# Allegro board SDHCalFEB20180110.brd (continued)
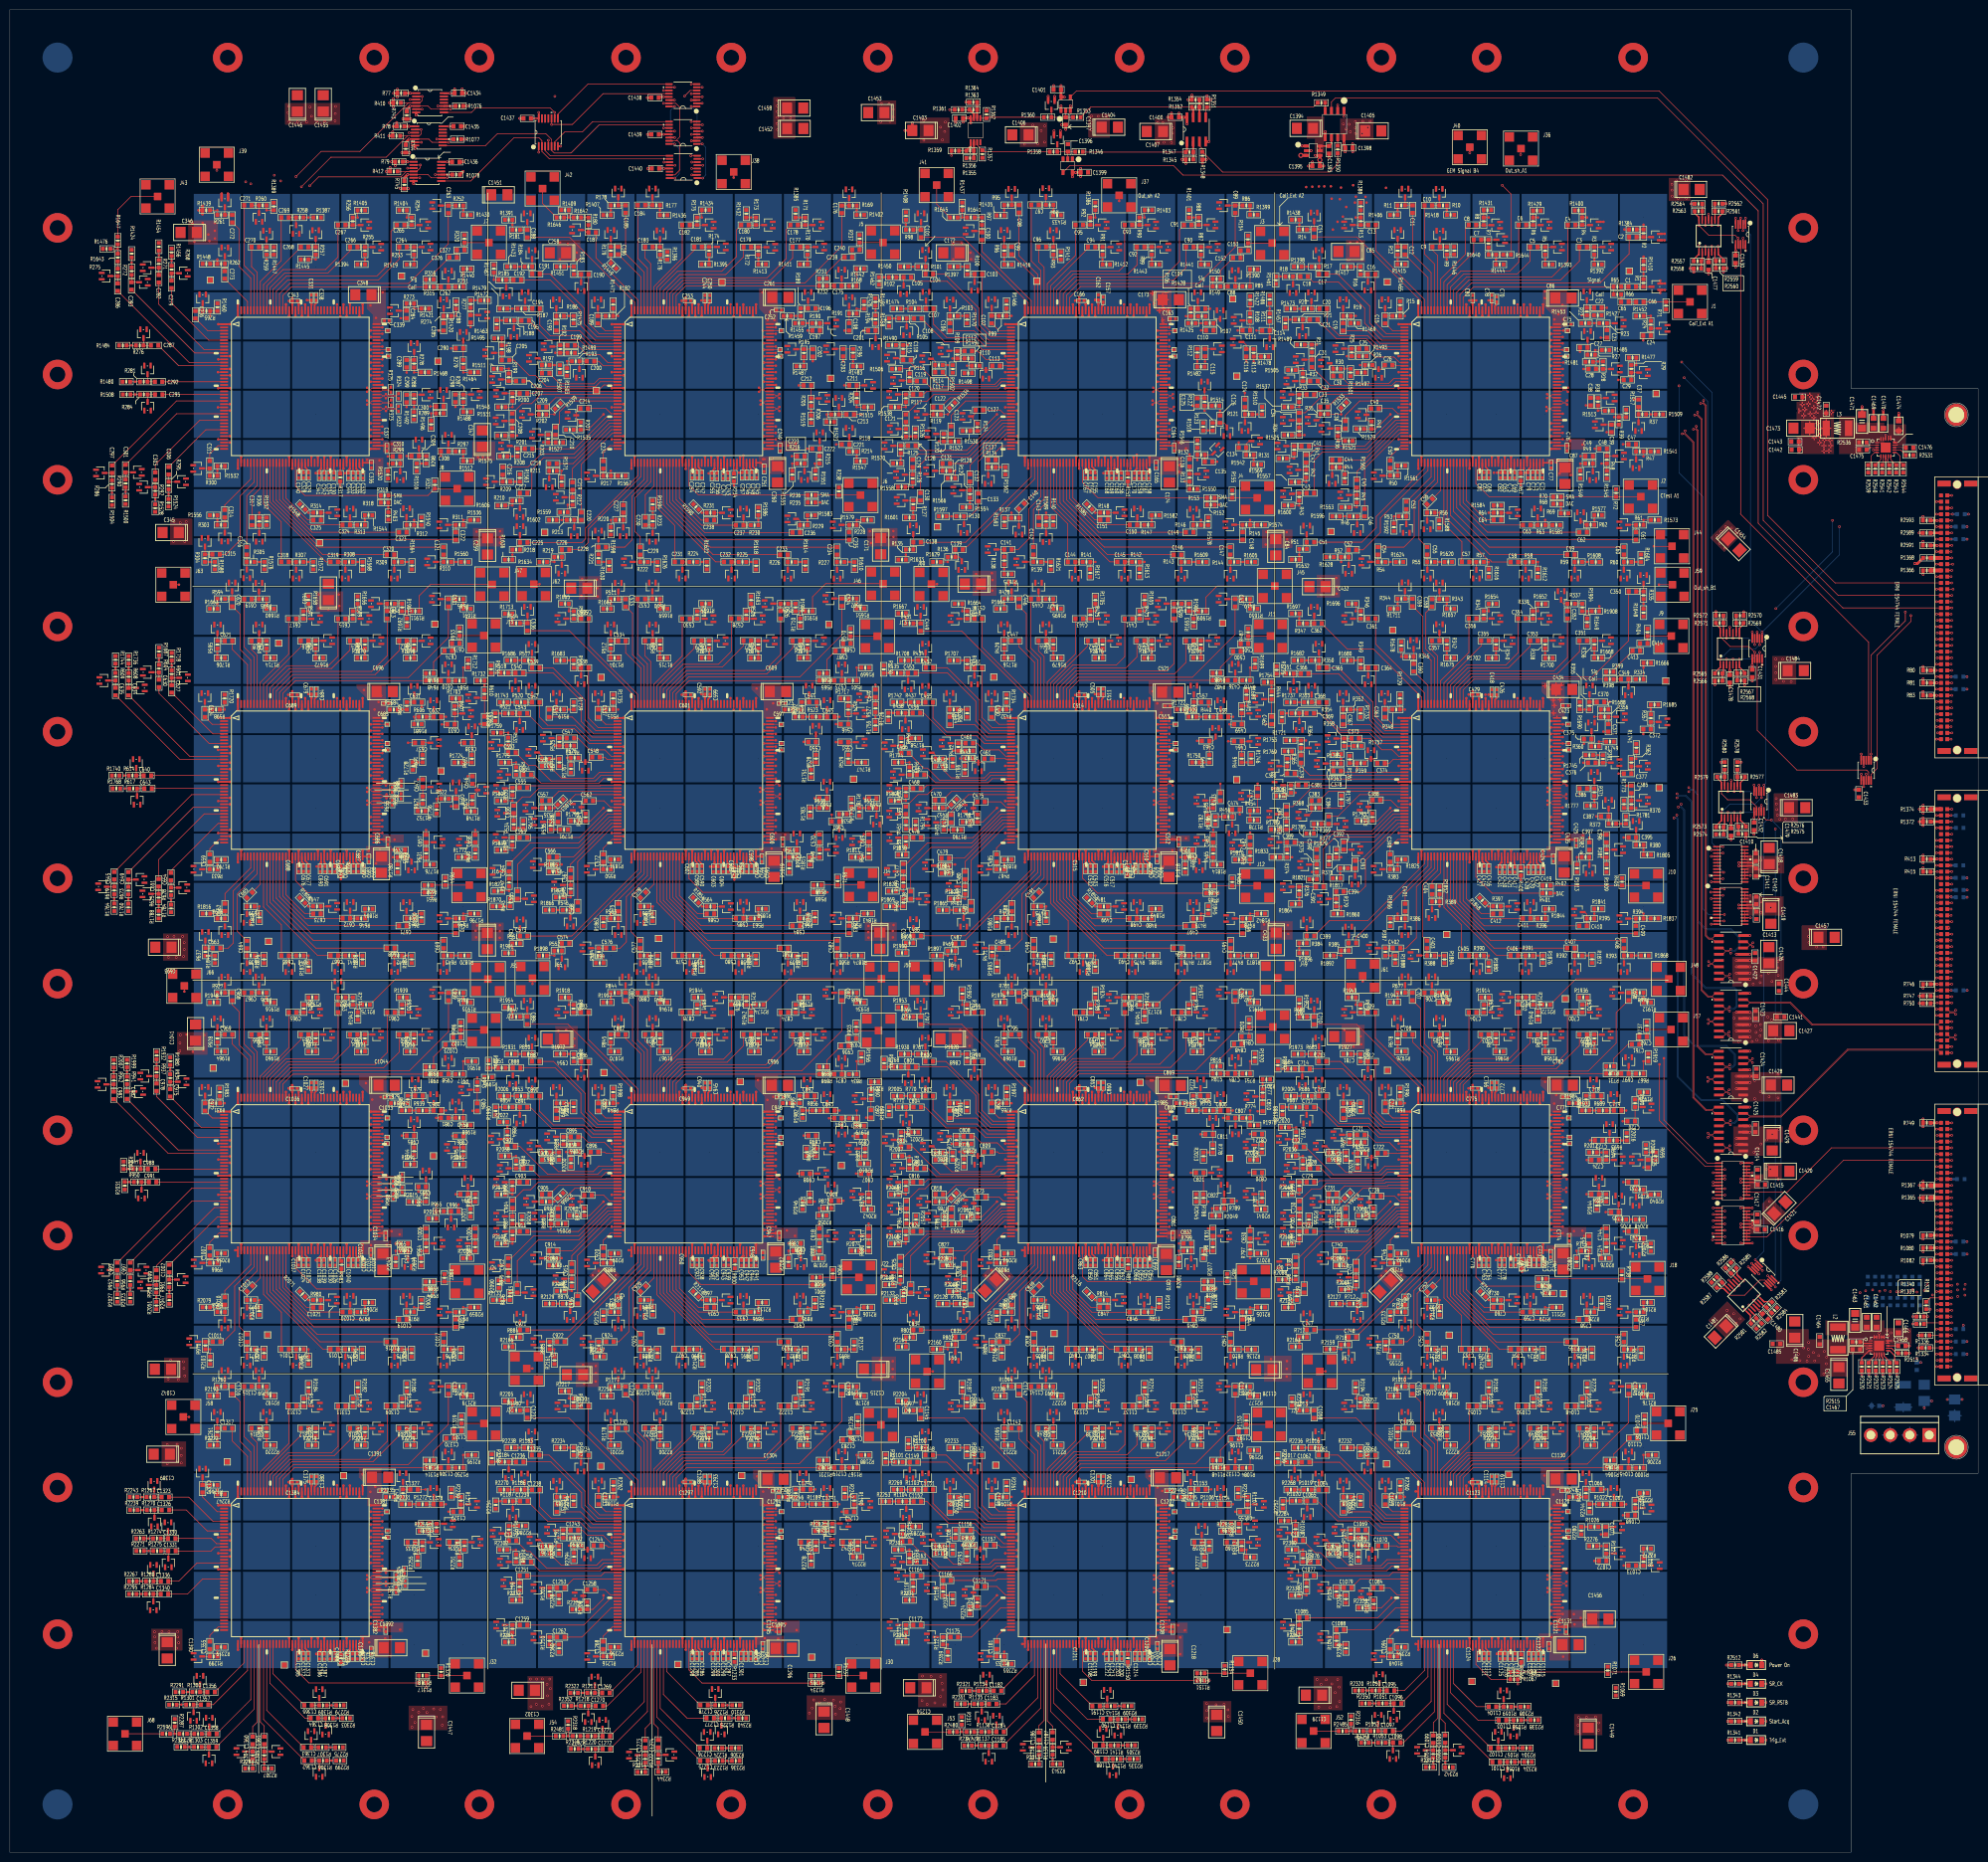
[diagram p0: board, top side]
## Routing (per net, layer and track width the routed paths; a pad name or vN(x,y) marks a point on that pad's centre or on a via; arc(x,y) is an arc through that point) (continued)
  SIG3 w0.127: v2(125.49,132.95) 150.45,132.95 152.02,134.52 154.43,134.52 155.65,133.3 167.84,133.3 v2(168.76,132.38)
ANALOGIN39_ASIC_C4: length 50.8
  TOP w0.127: v1(44.74,132.95) U780.28 ; C996.2 v1(91.24,131.63)
  GND1 w0.127: v2(45.48,132.95) v1(44.74,132.95) ; v2(90.5,131.63) v1(91.24,131.63)
  SIG3 w0.127: v2(90.5,131.63) 89.29,132.84 76.83,132.84 75.31,134.37 72.69,134.37 71.28,132.95 v2(45.48,132.95)
ANALOGIN40_ASIC_A1: length 5.7
  TOP w0.127: U65.29 282.25,292.32 281.2,293.37 C40.2
ANALOGIN40_ASIC_A2: length 6
  TOP w0.127: C127.2 201.38,293.08 202.14,292.32 U130.29
ANALOGIN40_ASIC_A3: length 6.5
  TOP w0.127: U195.29 122.28,292.32 121.22,293.38 C214.2
ANALOGIN40_ASIC_A4: length 24.3
  TOP w0.127: U260.29 33.91,292.32 C301.2
ANALOGIN40_ASIC_B1: length 5.6
  TOP w0.127: U325.29 282.28,212.31 280.78,213.81 C388.2
ANALOGIN40_ASIC_B5: length 5.8
  TOP w0.127: C475.2 201.5,213.46 202.65,212.31 203.58,212.31 U390.29
ANALOGIN40_ASIC_B6: length 5.5
  TOP w0.127: C562.2 120.81,213.66 122.16,212.31 123.57,212.31 U455.29
ANALOGIN40_ASIC_B7: length 24.9
  TOP w0.127: C649.2 24.15,199.19 37.28,212.32 42.56,212.32 42.57,212.31 U520.29
ANALOGIN40_ASIC_C1: length 5.3
  TOP w0.127: C736.2 281.58,133.32 282.6,132.3 U585.29
ANALOGIN40_ASIC_C2: length 5.6
  TOP w0.127: C823.2 201.17,133.14 202.02,132.3 U650.29
ANALOGIN40_ASIC_C3: length 5.7
  TOP w0.127: U715.29 121.95,132.3 120.76,133.5 C910.2
ANALOGIN40_ASIC_C4: length 24.3
  TOP w0.127: U780.29 42.57,132.3 42.56,132.31 37.02,132.31 24.53,119.81 C997.2
ANALOGIN40_ASIC_D1: length 5.3
  TOP w0.127: C1084.2 280.65,53.72 282.08,52.29 U845.29
ANALOGIN40_ASIC_D2: length 6
  TOP w0.127: U910.29 202.42,52.29 200.71,54 C1171.2
ANALOGIN40_ASIC_D3: length 5.1
  TOP w0.127: U975.29 122.08,52.29 121.01,53.36 C1258.2
ANALOGIN41_ASIC_A1: length 21.9
  TOP w0.127: C41.2 275.51,285.74 281.43,291.67 U65.30
ANALOGIN41_ASIC_A2: length 22.7
  TOP w0.127: C128.2 184.18,285.8 185.12,284.86 194.59,284.86 201.4,291.67 U130.30
ANALOGIN41_ASIC_A3: length 20
  TOP w0.127: U195.30 121.31,291.67 114.85,285.2 C215.2
ANALOGIN41_ASIC_B1: length 25
  TOP w0.127: C389.2 266.21,205.23 268.43,207.44 276.89,207.44 281.1,211.66 U325.30
ANALOGIN41_ASIC_B5: length 20.6
  TOP w0.127: U390.30 203.58,211.66 201.35,211.66 195.86,206.17 C476.2
ANALOGIN41_ASIC_B6: length 20.6
  TOP w0.127: C563.2 115.85,206.19 121.31,211.66 123.57,211.66 U455.30
ANALOGIN41_ASIC_C1: length 20.6
  TOP w0.127: U585.30 281.61,131.65 276.12,126.16 C737.2
ANALOGIN41_ASIC_C2: length 20.6
  TOP w0.127: C824.2 195.86,126.16 201.35,131.65 U650.30
ANALOGIN41_ASIC_C3: length 20.6
  TOP w0.127: U715.30 121.16,131.65 115.64,126.13 C911.2
ANALOGIN41_ASIC_D1: length 21.5
  TOP w0.127: U845.30 282.17,51.64 278.18,47.65 C1085.2
ANALOGIN41_ASIC_D2: length 20.6
  TOP w0.127: C1172.2 196.11,46.15 201.6,51.64 U910.30
ANALOGIN41_ASIC_D3: length 20.6
  TOP w0.127: C1259.2 116.71,46.15 122.2,51.64 U975.30
ANALOGIN42_ASIC_A1: length 22.9
  TOP w0.127: U65.31 281.77,291.02 275.92,285.17 265.46,285.17 264.23,283.93 C42.2
ANALOGIN42_ASIC_A2: length 23.3
  TOP w0.127: C129.2 183.62,282.98 184.81,284.18 194.74,284.18 201.59,291.02 U130.31
ANALOGIN42_ASIC_A3: length 27.3
  TOP w0.127: C216.2 105.33,281.46 108,284.12 114.71,284.12 121.6,291.02 U195.31
ANALOGIN42_ASIC_A4: length 19.3
  TOP w0.127: C303.2 29.58,281.98 38.62,291.02 U260.31
ANALOGIN42_ASIC_B1: length 20.9
  TOP w0.127: C390.2 268.86,206.86 277.16,206.86 281.32,211.01 U325.31
ANALOGIN42_ASIC_B5: length 26.1
  TOP w0.127: C477.2 182.33,200.84 186.54,205.05 195.58,205.05 201.53,211.01 U390.31
ANALOGIN42_ASIC_B6: length 26.3
  TOP w0.127: U455.31 121.58,211.01 115.67,205.1 105.8,205.1 C564.2
ANALOGIN42_ASIC_B7: length 21.1
  TOP w0.127: C651.2 30.26,201.71 39.56,211.01 U520.31
ANALOGIN42_ASIC_C1: length 26.3
  TOP w0.127: C738.2 262.2,120.9 266.69,125.4 276.3,125.4 281.9,131 U585.31
ANALOGIN42_ASIC_C2: length 26.7
  TOP w0.127: C825.2 181.72,120.83 186.47,125.58 196.16,125.58 201.59,131 U650.31
ANALOGIN42_ASIC_C3: length 26.5
  TOP w0.127: U715.31 121.45,131 115.69,125.24 106.5,125.24 101.98,120.73 C912.2
ANALOGIN42_ASIC_C4: length 19.6
  TOP w0.127: C999.2 29.8,119.21 41.59,131 U780.31
ANALOGIN43_ASIC_A1: length 28.1
  TOP w0.127: U65.32 282.04,290.37 276.17,284.51 266.88,284.51 265.21,282.84 C43.2
ANALOGIN43_ASIC_A2: length 27.7
  TOP w0.127: C130.2 185.18,282.03 186.69,283.54 195.05,283.54 201.88,290.37 U130.32
ANALOGIN43_ASIC_A3: length 26.5
  TOP w0.127: C217.2 106.15,277.13 106.15,280.97 108.56,283.39 114.91,283.39 121.89,290.37 U195.32
ANALOGIN43_ASIC_B1: length 26.9
  TOP w0.127: C391.2 267.13,203.94 269.52,206.32 277.52,206.32 281.56,210.36 U325.32
ANALOGIN43_ASIC_B5: length 29.5
  TOP w0.127: U390.32 201.67,210.36 195.5,204.19 187.32,204.19 183.19,200.05 C478.2
ANALOGIN43_ASIC_B6: length 29.8
  TOP w0.127: C565.2 103.23,200.71 106.63,204.11 115.62,204.11 121.87,210.36 U455.32
ANALOGIN43_ASIC_C1: length 29.8
  TOP w0.127: U585.32 282.11,130.35 275.87,124.1 266.67,124.1 263.2,120.63 C739.2
ANALOGIN43_ASIC_C2: length 30.2
  TOP w0.127: C826.2 183.19,121.21 186.97,124.99 196.37,124.99 201.72,130.35 U650.32
ANALOGIN43_ASIC_C3: length 29.5
  TOP w0.127: C913.2 103.18,120.15 107.44,124.41 115.7,124.41 121.64,130.35 U715.32
ANALOGIN44_ASIC_A1: length 16
  TOP w0.127: U65.33 282.18,289.72 275.39,282.93 C44.2
ANALOGIN44_ASIC_A2: length 15.5
  TOP w0.127: U130.33 202.12,289.72 194.6,282.21 C131.2
ANALOGIN44_ASIC_A3: length 15.5
  TOP w0.127: C218.2 114.52,282.18 122.05,289.72 U195.33
ANALOGIN44_ASIC_B1: length 14.2
  TOP w0.127: C392.2 277.42,205.26 281.87,209.71 U325.33
ANALOGIN44_ASIC_B5: length 15.8
  TOP w0.127: U390.33 201.78,209.71 194.08,202 C479.2
ANALOGIN44_ASIC_B6: length 15.4
  TOP w0.127: C566.2 114.6,202.23 122.08,209.71 U455.33
ANALOGIN44_ASIC_C1: length 15.5
  TOP w0.127: U585.33 282.23,129.7 274.75,122.22 C740.2
ANALOGIN44_ASIC_C2: length 15.4
  TOP w0.127: C827.2 194.36,122.22 201.84,129.7 U650.33
ANALOGIN44_ASIC_C3: length 15.4
  TOP w0.127: C914.2 114.37,122.22 121.85,129.7 U715.33
ANALOGIN44_ASIC_D1: length 14.2
  TOP w0.127: U845.33 281.82,49.69 277.34,45.21 C1088.2
ANALOGIN44_ASIC_D2: length 13.2
  TOP w0.127: U910.33 201.53,49.69 195.55,43.71 C1175.2
ANALOGIN44_ASIC_D3: length 13.2
  TOP w0.127: C1262.2 116.33,43.71 122.31,49.69 U975.33
ANALOGIN45_ASIC_A1: length 14.9
  TOP w0.127: U65.34 282.42,289.07 273.9,280.55 C45.2
ANALOGIN45_ASIC_A2: length 13.1
  TOP w0.127: C132.2 195.24,281.88 202.43,289.07 U130.34
ANALOGIN45_ASIC_A3: length 15.2
  TOP w0.127: C219.2 114.41,281.19 122.29,289.07 U195.34
ANALOGIN45_ASIC_A4: length 14.4
  TOP w0.127: U260.34 39.86,289.07 C306.2
ANALOGIN45_ASIC_B1: length 13.2
  TOP w0.127: U325.34 282.21,209.06 274.62,201.47 C393.2
ANALOGIN45_ASIC_B5: length 14.6
  TOP w0.127: C480.2 194.24,201.3 202,209.06 U390.34
ANALOGIN45_ASIC_B6: length 14.2
  TOP w0.127: C567.2 114.02,200.77 122.32,209.06 U455.34
ANALOGIN45_ASIC_B7: length 15.2
  TOP w0.127: U520.34 42.36,209.06 32.77,199.47 C654.2
ANALOGIN45_ASIC_C1: length 14
  TOP w0.127: C741.2 273.74,120.45 282.34,129.05 U585.34
ANALOGIN45_ASIC_C2: length 14.5
  TOP w0.127: U650.34 202,129.05 194.09,121.14 C828.2
ANALOGIN45_ASIC_C3: length 14.2
  TOP w0.127: C915.2 114.28,121.21 122.12,129.05 U715.34
ANALOGIN45_ASIC_C4: length 15.1
  TOP w0.127: C1002.2 32.48,119.38 42.15,129.05 U780.34
ANALOGIN46_ASIC_A1: length 19.3
  TOP w0.127: U65.35 282.68,288.42 275.48,281.22 C46.2
ANALOGIN46_ASIC_A2: length 15.6
  TOP w0.127: C133.2 196.94,282.61 202.75,288.42 U130.35
ANALOGIN46_ASIC_A3: length 19.8
  TOP w0.127: C220.2 116.22,282.08 122.56,288.42 U195.35
ANALOGIN46_ASIC_B1: length 20.9
  TOP w0.127: C394.2 274.6,195.22 275.67,196.29 275.67,201.57 282.5,208.41 U325.35
ANALOGIN46_ASIC_B5: length 19.5
  TOP w0.127: C481.2 195.46,201.58 202.29,208.41 U390.35
ANALOGIN46_ASIC_B6: length 19.4
  TOP w0.127: U455.35 122.58,208.41 115.47,201.3 C568.2
ANALOGIN46_ASIC_C1: length 19.4
  TOP w0.127: C742.2 275.49,121.31 282.58,128.4 U585.35
ANALOGIN46_ASIC_C2: length 19.5
  TOP w0.127: C829.2 195.46,121.57 202.29,128.4 U650.35
ANALOGIN46_ASIC_C3: length 19.3
  TOP w0.127: U715.35 122.58,128.4 115.45,121.26 C916.2
ANALOGIN47_ASIC_A1: length 46.8
  TOP w0.127: C47.2 v1(328.02,286.11) ; v1(284.77,287.77) U65.36
  GND1 w0.127: v1(328.02,286.11) v2(327.24,286.11) ; v2(285.51,287.77) v1(284.77,287.77)
  SIG3 w0.127: v2(327.24,286.11) 323.03,286.11 321.39,287.76 313.72,287.76 313,287.04 287.91,287.04 287.18,287.77 v2(285.51,287.77)
ANALOGIN47_ASIC_A2: length 48.3
  TOP w0.127: v1(204.83,287.77) U130.36 ; C134.2 v1(249.89,286.49)
  GND1 w0.127: v1(249.89,286.49) v2(249.89,287.17) ; v1(204.83,287.77) v2(205.56,287.77)
  SIG3 w0.127: v2(249.89,287.17) 234.59,287.17 234,287.77 v2(205.56,287.77)
ANALOGIN47_ASIC_A3: length 47.8
  TOP w0.127: v1(124.75,287.77) U195.36 ; C221.2 v1(168.03,286.09)
  GND1 w0.127: v2(125.49,287.77) v1(124.75,287.77) ; v1(168.03,286.09) v2(168.03,285.38)
  SIG3 w0.127: v2(125.49,287.77) 151.04,287.77 151.66,287.15 154.66,287.15 155.3,287.78 165.63,287.78 v2(168.03,285.38)
ANALOGIN47_ASIC_A4: length 48.3
  TOP w0.127: v1(44.74,287.77) U260.36 ; C308.2 v1(87.66,283.74)
  GND1 w0.127: v2(45.48,287.77) v1(44.74,287.77) ; v1(87.66,283.74) v2(87.66,283.01)
  SIG3 w0.127: v2(87.66,283.01) 82.89,287.77 74.56,287.77 73.91,288.42 46.13,288.42 v2(45.48,287.77)
ANALOGIN47_ASIC_B1: length 47.2
  TOP w0.127: C395.2 v1(328.17,206.2) ; v1(284.77,207.76) U325.36
  GND1 w0.127: v1(328.17,206.2) v2(327.43,206.2) ; v2(285.51,207.76) v1(284.77,207.76)
  SIG3 w0.127: v2(327.43,206.2) 325.45,208.18 319.05,208.18 318.25,208.98 314.85,208.98 314.3,208.43 286.18,208.43 v2(285.51,207.76)
ANALOGIN47_ASIC_B5: length 51.1
  TOP w0.127: v1(204.76,207.76) U390.36 ; C482.2 252.2,207.21 v1(252.2,207.21)
  GND1 w0.127: v1(252.2,207.21) v2(251.68,207.73) ; v1(204.76,207.76) 205.02,207.76 205.03,207.77 205.38,207.77 205.38,207.77 v2(205.5,207.77)
  SIG3 w0.127: v2(251.68,207.73) 250.34,209.07 234.92,209.07 234.26,208.41 205.71,208.41 205.5,208.19 v2(205.5,207.77)
ANALOGIN47_ASIC_B6: length 52.7
  TOP w0.127: C569.2 v1(173.66,206.86) ; v1(124.75,207.76) U455.36
  GND1 w0.127: v1(173.66,206.86) v2(172.92,206.86) ; v2(125.49,207.76) v1(124.75,207.76)
  SIG3 w0.127: v2(172.92,206.86) 170.71,209.07 154.84,209.07 154.18,208.41 125.93,208.41 125.49,207.96 v2(125.49,207.76)
ANALOGIN47_ASIC_B7: length 53.6
  TOP w0.127: v1(44.74,207.76) U520.36 ; C656.2 v1(94.64,207.75)
  GND1 w0.127: v2(45.48,207.76) v1(44.74,207.76) ; v1(94.64,207.75) v2(94.64,208.48)
  SIG3 w0.127: v2(45.48,207.76) 46.15,208.43 74.9,208.43 75.51,209.04 94.09,209.04 v2(94.64,208.48)
ANALOGIN47_ASIC_C1: length 46.7
  TOP w0.127: v1(284.78,127.75) U585.36 ; C743.2 v1(328.19,126.17)
  GND1 w0.127: v2(285.51,127.75) v1(284.78,127.75) ; v1(328.19,126.17) v2(327.46,126.17)
  SIG3 w0.127: v2(327.46,126.17) 325.91,127.71 314.1,127.71 313.44,128.37 286.13,128.37 v2(285.51,127.75)
ANALOGIN47_ASIC_C2: length 50.9
  TOP w0.127: C830.2 v1(252.2,127.2) ; v1(204.76,127.75) U650.36
  GND1 w0.127: v2(205.5,127.75) v1(204.76,127.75) ; v1(252.2,127.2) v2(251.46,127.2)
  SIG3 w0.127: v2(251.46,127.2) 249.61,129.06 234.09,129.06 233.45,128.42 206.17,128.42 v2(205.5,127.75)
ANALOGIN47_ASIC_C3: length 53.1
  TOP w0.127: v1(124.75,127.75) U715.36 ; C917.2 v1(174.63,127.71)
  GND1 w0.127: v1(124.75,127.75) v2(125.49,127.75) ; v1(174.63,127.71) v2(173.89,127.71)
  SIG3 w0.127: v2(125.49,127.75) 126.19,128.45 154.66,128.45 155.27,129.06 172.55,129.06 v2(173.89,127.71)
ANALOGIN47_ASIC_C4: length 52
  TOP w0.127: C1004.2 v1(93.55,126.75) ; v1(44.74,127.75) U780.36
  GND1 w0.127: v1(44.74,127.75) v2(45.48,127.75) ; v1(93.55,126.75) v2(92.74,126.75)
  SIG3 w0.127: v2(92.74,126.75) 91.65,127.83 75.83,127.83 75.26,128.4 46.13,128.4 v2(45.48,127.75)
ANALOGIN48_ASIC_A1: length 42.8
  TOP w0.127: v1(282.41,287.12) U65.37 ; C48.2 v1(322.28,285.21)
  GND1 w0.127: v1(322.28,285.21) v2(321.54,285.21) ; v2(283.15,287.12) v1(282.41,287.12)
  SIG3 w0.127: v2(283.15,287.12) 286.36,287.12 288.27,285.21 v2(321.54,285.21)
ANALOGIN48_ASIC_A2: length 50.1
  TOP w0.127: C135.2 v1(245.49,282.56) ; v1(202.39,287.12) U130.37
  GND1 w0.127: v1(245.49,282.56) v2(246.23,282.56) ; v1(202.39,287.12) v2(201.65,287.12)
  SIG3 w0.127: v2(201.65,287.12) 207.39,287.12 209.04,285.47 231.75,285.47 232.52,284.7 244.09,284.7 v2(246.23,282.56)
ANALOGIN48_ASIC_A3: length 45.2
  TOP w0.127: v1(122.39,287.12) U195.37 ; C222.2 v1(162.17,285.2)
  GND1 w0.127: v2(121.65,287.12) v1(122.39,287.12) ; v1(162.17,285.2) v2(162.17,284.47)
  SIG3 w0.127: v2(121.65,287.12) 149.96,287.12 152.62,284.47 v2(162.17,284.47)
ANALOGIN48_ASIC_A4: length 43.3
  TOP w0.127: v1(42.38,287.12) 43.56,287.12 U260.37 ; C309.2 v1(80.7,283.73)
  GND1 w0.127: v1(80.7,283.73) v2(79.96,283.73) ; v2(41.64,287.12) v1(42.38,287.12)
  SIG3 w0.127: v2(79.96,283.73) 79.18,284.51 72.05,284.51 69.44,287.12 v2(41.64,287.12)
ANALOGIN48_ASIC_B1: length 45.4
  TOP w0.127: C396.2 v1(323.7,206.76) ; v1(282.41,207.11) U325.37
  GND1 w0.127: v1(323.7,206.76) v2(322.96,206.76) ; v2(281.68,207.11) v1(282.41,207.11)
  SIG3 w0.127: v2(322.96,206.76) 322.57,206.37 314.41,206.37 313.67,207.11 v2(281.68,207.11)
ANALOGIN48_ASIC_B5: length 44.8
  TOP w0.127: C483.2 v1(244.71,207.77) ; v1(202.4,207.11) U390.37
  GND1 w0.127: v1(244.71,207.77) v2(243.97,207.77) ; v2(203.14,207.11) v1(202.4,207.11)
  SIG3 w0.127: v2(203.14,207.11) 234.11,207.11 234.77,207.77 v2(243.97,207.77)
ANALOGIN48_ASIC_B6: length 44.1
  TOP w0.127: C570.2 v1(163.68,206.81) ; v1(122.39,207.11) U455.37
  GND1 w0.127: v1(163.68,206.81) v2(162.94,206.81) ; v2(123.13,207.11) v1(122.39,207.11)
  SIG3 w0.127: v2(162.94,206.81) 162,207.75 155.14,207.75 154.51,207.11 v2(123.13,207.11)
ANALOGIN48_ASIC_B7: length 45.7
  TOP w0.127: C657.2 v1(84.64,207.72) ; v1(42.37,207.11) U520.37
  GND1 w0.127: v1(84.64,207.72) v2(84.64,208.46) ; v1(42.37,207.11) v2(43.1,207.11)
  SIG3 w0.127: v2(84.64,208.46) 83.95,207.77 75.36,207.77 74.7,207.11 v2(43.1,207.11)
ANALOGIN48_ASIC_C1: length 43.9
  TOP w0.127: v1(282.4,127.1) U585.37 ; C744.2 v1(323.67,126.77)
  GND1 w0.127: v1(323.67,126.77) v2(322.94,126.77) ; v1(282.4,127.1) v2(283.13,127.1)
  SIG3 w0.127: v2(283.13,127.1) 313.56,127.1 314.28,126.39 322.55,126.39 v2(322.94,126.77)
ANALOGIN48_ASIC_C2: length 44.1
  TOP w0.127: v1(202.39,127.1) U650.37 ; C831.2 v1(243.66,126.75)
  GND1 w0.127: v1(243.66,126.75) v2(242.93,126.75) ; v1(202.39,127.1) v2(203.12,127.1)
  SIG3 w0.127: v2(203.12,127.1) 233.91,127.1 234.48,127.67 237.61,127.67 238.53,126.75 v2(242.93,126.75)
ANALOGIN48_ASIC_C3: length 44.6
  TOP w0.127: C918.2 v1(164.62,127.71) ; v1(122.39,127.1) U715.37
  GND1 w0.127: v1(164.62,127.71) v2(163.88,127.71) ; v1(122.39,127.1) v2(123.13,127.1)
  SIG3 w0.127: v2(123.13,127.1) 155.14,127.1 155.75,127.71 v2(163.88,127.71)
ANALOGIN48_ASIC_C4: length 45.4
  TOP w0.127: C1005.2 v1(83.54,126.75) ; v1(42.38,127.1) U780.37
  GND1 w0.127: v2(41.65,127.1) v1(42.38,127.1) ; v1(83.54,126.75) v2(82.47,126.75)
  SIG3 w0.127: v2(41.65,127.1) 74.2,127.1 74.94,126.36 82.09,126.36 v2(82.47,126.75)
ANALOGIN49_ASIC_A1: length 38.1
  TOP w0.127: v1(319.4,283.69) 319.41,283.7 C49.2 ; v1(284.77,286.47) U65.38
  GND1 w0.127: v1(319.4,283.69) v2(318.67,283.69) ; v2(285.51,286.47) v1(284.77,286.47)
  SIG3 w0.127: v2(285.51,286.47) 288.49,283.49 317.92,283.49 318.12,283.69 v2(318.67,283.69)
ANALOGIN49_ASIC_A2: length 38.7
  TOP w0.127: C136.2 v1(239.89,284.06) ; U130.38 v1(204.76,286.47)
  GND1 w0.127: v1(204.76,286.47) v2(205.5,286.47) ; v1(239.89,284.06) v2(239.15,284.06)
  SIG3 w0.127: v2(205.5,286.47) 208.45,283.51 238.61,283.51 v2(239.15,284.06)
ANALOGIN49_ASIC_A3: length 37.7
  TOP w0.127: v1(124.75,286.46) 123.58,286.46 U195.38 ; C223.2 v1(159.03,283.68)
  GND1 w0.127: v1(159.03,283.68) v2(158.29,283.68) ; v2(125.49,286.46) v1(124.75,286.46)
  SIG3 w0.127: v2(158.29,283.68) 158.2,283.77 151.46,283.77 148.77,286.46 v2(125.49,286.46)
ANALOGIN49_ASIC_A4: length 35.5
  TOP w0.127: C310.2 v1(76.86,283.65) ; v1(44.74,286.47) U260.38
  GND1 w0.127: v1(76.86,283.65) v2(76.12,283.65) ; v2(45.48,286.47) v1(44.74,286.47)
  SIG3 w0.127: v2(45.48,286.47) 68.88,286.47 71.69,283.65 v2(76.12,283.65)
ANALOGIN49_ASIC_B1: length 39.7
  TOP w0.127: C397.2 v1(321.19,206.2) ; v1(284.77,206.46) U325.38
  GND1 w0.127: v1(321.19,206.2) v2(321.19,205.46) ; v2(285.52,206.46) v1(284.77,206.46)
  SIG3 w0.127: v2(285.52,206.46) 286.15,205.83 317.54,205.83 317.91,205.46 v2(321.19,205.46)
ANALOGIN49_ASIC_B5: length 36.6
  TOP w0.127: v1(204.76,206.45) 203.59,206.45 U390.38 ; C484.2 v1(238.02,203.69)
  GND1 w0.127: v2(205.5,206.45) v1(204.76,206.45) ; v1(238.02,203.69) v2(237.29,203.69)
  SIG3 w0.127: v2(205.5,206.45) 206.21,205.74 235.23,205.74 v2(237.29,203.69)
ANALOGIN49_ASIC_B6: length 36.1
  TOP w0.127: v1(124.75,206.46) U455.38 ; C571.2 v1(157.41,203.69)
  GND1 w0.127: v1(124.75,206.46) v2(125.49,206.46) ; v1(157.41,203.69) v2(156.54,203.69)
  SIG3 w0.127: v2(156.54,203.69) 154.41,205.82 126.13,205.82 v2(125.49,206.46)
ANALOGIN49_ASIC_B7: length 36.4
  TOP w0.127: v1(44.74,206.46) U520.38 ; C658.2 v1(77.88,203.71)
  GND1 w0.127: v2(45.48,206.46) v1(44.74,206.46) ; v1(77.88,203.71) v2(77.14,203.71)
  SIG3 w0.127: v2(77.14,203.71) 75.77,205.08 64.18,205.08 64.17,205.09 63.7,205.09 63.69,205.08 46.86,205.08 v2(45.48,206.46)
ANALOGIN49_ASIC_C1: length 38
  TOP w0.127: v1(284.78,126.45) U585.38 ; C745.2 v1(320.14,125.22)
  GND1 w0.127: v1(320.14,125.22) v2(319.4,125.22) ; v2(285.51,126.45) v1(284.78,126.45)
  SIG3 w0.127: v2(319.4,125.22) 286.74,125.22 v2(285.51,126.45)
ANALOGIN49_ASIC_C2: length 36.2
  TOP w0.127: v1(204.76,126.45) U650.38 ; C832.2 v1(237.74,123.7)
  GND1 w0.127: v2(205.5,126.45) v1(204.76,126.45) ; v1(237.74,123.7) v2(237.01,123.7)
  SIG3 w0.127: v2(237.01,123.7) 233.37,123.7 230.62,126.45 v2(205.5,126.45)
ANALOGIN49_ASIC_C3: length 36.9
  TOP w0.127: C919.2 v1(158.34,123.73) ; v1(124.75,126.45) U715.38
  GND1 w0.127: v2(125.49,126.45) v1(124.75,126.45) ; v1(158.34,123.73) v2(157.61,123.73)
  SIG3 w0.127: v2(125.49,126.45) 150.94,126.45 153.67,123.73 v2(157.61,123.73)
ANALOGIN49_ASIC_C4: length 37
  TOP w0.127: v1(44.74,126.45) U780.38 ; C1006.2 v1(78.46,123.68)
  GND1 w0.127: v2(45.48,126.45) v1(44.74,126.45) ; v1(78.46,123.68) v2(77.72,123.68)
  SIG3 w0.127: v2(45.48,126.45) 46.73,125.2 76.2,125.2 v2(77.72,123.68)
ANALOGIN50_ASIC_A1: length 4.6
  TOP w0.127: U65.39 282.96,285.82 280.68,283.54 C50.2
ANALOGIN50_ASIC_A2: length 5.2
  TOP w0.127: U130.39 201.75,285.82 200.46,284.53 C137.2
ANALOGIN50_ASIC_A3: length 5.2
  TOP w0.127: U195.39 122.01,285.82 120.69,284.49 C224.2
ANALOGIN50_ASIC_A4: length 5
  TOP w0.127: U260.39 42.31,285.82 40.65,284.16 C311.2
ANALOGIN50_ASIC_B1: length 5.1
  TOP w0.127: C398.2 280.67,204.3 282.19,205.81 U325.39
ANALOGIN50_ASIC_B5: length 5
  TOP w0.127: C485.2 200.64,204.07 202.38,205.81 U390.39
ANALOGIN50_ASIC_B6: length 4.9
  TOP w0.127: U455.39 122.45,205.81 120.68,204.04 C572.2
ANALOGIN50_ASIC_B7: length 4.8
  TOP w0.127: C659.2 40.67,203.94 42.54,205.81 U520.39
ANALOGIN50_ASIC_C1: length 5.1
  TOP w0.127: C746.2 280.7,124.41 282.09,125.8 U585.39
ANALOGIN50_ASIC_C2: length 5.1
  TOP w0.127: U650.39 202.05,125.8 200.69,124.44 C833.2
ANALOGIN50_ASIC_C3: length 5.1
  TOP w0.127: U715.39 122.14,125.8 120.68,124.34 C920.2
ANALOGIN50_ASIC_C4: length 4.8
  TOP w0.127: U780.39 42.51,125.8 40.64,123.93 C1007.2
ANALOGIN50_ASIC_D1: length 4.8
  TOP w0.127: U845.39 282.52,45.79 280.67,43.95 C1094.2
ANALOGIN50_ASIC_D2: length 4.7
  TOP w0.127: U910.39 202.63,45.79 200.69,43.84 C1181.2
ANALOGIN50_ASIC_D3: length 4.8
  TOP w0.127: C1268.2 120.65,43.9 122.55,45.79 U975.39
ANALOGIN50_ASIC_D4: length 4.9
  TOP w0.127: U1040.39 42.41,45.79 40.67,44.05 C1355.2
ANALOGIN51_ASIC_A1: length 31.1
  TOP w0.127: C51.2 274.91,266.22 277.85,269.16 277.85,271.42 287.72,281.29 U65.43
ANALOGIN51_ASIC_A2: length 30.8
  TOP w0.127: C138.2 194.37,266.2 207.71,279.54 U130.43
ANALOGIN51_ASIC_A3: length 32
  TOP w0.127: C225.2 116.34,266.15 117.07,266.88 117.07,269.09 127.7,279.72 U195.43
ANALOGIN51_ASIC_B1: length 30
  TOP w0.127: U325.43 287.72,200.9 276.1,189.28 268.29,189.28 265.25,186.24 C399.2
ANALOGIN51_ASIC_B5: length 30.7
  TOP w0.127: U390.43 207.71,199.68 194.26,186.23 C486.2
ANALOGIN51_ASIC_B6: length 30.7
  TOP w0.127: U455.43 127.7,199.6 114.27,186.18 C573.2
ANALOGIN51_ASIC_C1: length 30.7
  TOP w0.127: U585.43 287.72,119.75 274.14,106.17 C747.2
ANALOGIN51_ASIC_C2: length 30.7
  TOP w0.127: U650.43 207.71,119.65 194.18,106.12 C834.2
ANALOGIN51_ASIC_C3: length 30.6
  TOP w0.127: U715.43 127.7,119.85 113.97,106.12 C921.2
ANALOGIN51_ASIC_D1: length 13.2
  TOP w0.127: U845.43 287.72,36.97 283.59,32.84 C1095.2
ANALOGIN51_ASIC_D2: length 12.1
  TOP w0.127: C1182.2 201.6,32.83 207.71,38.93 U910.43
ANALOGIN51_ASIC_D3: length 12.3
  TOP w0.127: C1269.2 127.7,38.08 U975.43
ANALOGIN51_ASIC_D4: length 12.3
  TOP w0.127: C1356.2 47.69,38.54 U1040.43
ANALOGIN52_ASIC_A1: length 24.6
  TOP w0.127: C52.2 275.17,264.66 278.69,268.17 278.69,271.09 288.37,280.77 U65.44
ANALOGIN52_ASIC_A2: length 23.9
  TOP w0.127: U130.44 208.36,279.02 194.62,265.29 194.32,265.29 193.78,264.74 C139.2
ANALOGIN52_ASIC_A3: length 25.1
  TOP w0.127: U195.44 128.35,279.58 117.68,268.91 117.68,266.22 116.17,264.71 C226.2
ANALOGIN52_ASIC_B1: length 23.6
  TOP w0.127: C400.2 273.76,185.85 288.37,200.46 U325.44
ANALOGIN52_ASIC_B5: length 23.7
  TOP w0.127: U390.44 208.36,199.44 193.78,184.86 C487.2
ANALOGIN52_ASIC_B6: length 23.7
  TOP w0.127: C574.2 128.35,199.26 U455.44
ANALOGIN52_ASIC_C1: length 23.7
  TOP w0.127: C748.2 273.76,104.71 288.37,119.32 U585.44
ANALOGIN52_ASIC_C2: length 23.7
  TOP w0.127: C835.2 193.78,104.71 208.36,119.29 U650.44
ANALOGIN52_ASIC_C3: length 25
  TOP w0.127: U715.44 128.35,119.48 112.8,103.94 C922.2
ANALOGIN52_ASIC_D1: length 14.3
  TOP w0.127: U845.44 288.37,35.66 C1096.2
ANALOGIN52_ASIC_D2: length 16.5
  TOP w0.127: C1183.2 202.54,30.12 208.36,35.94 U910.44
ANALOGIN52_ASIC_D3: length 16.3
  TOP w0.127: C1270.2 121.48,29.71 128.35,36.58 U975.44
ANALOGIN52_ASIC_D4: length 16.2
  TOP w0.127: U1040.44 48.34,36.93 41.37,29.97 C1357.2
ANALOGIN53_ASIC_A1: length 10
  TOP w0.127: U65.45 289.02,279.47 284.01,274.46 C53.2
ANALOGIN53_ASIC_A2: length 9.4
  TOP w0.127: U130.45 209.01,276.82 C140.2
ANALOGIN53_ASIC_A3: length 10.4
  TOP w0.127: U195.45 129,278.96 124.75,274.71 C227.2
ANALOGIN53_ASIC_A4: length 11.8
  TOP w0.127: U260.45 48.99,279.03 43.7,273.75 C314.2
ANALOGIN53_ASIC_B1: length 11.8
  TOP w0.127: C401.2 283.72,194.82 289.02,200.12 U325.45
ANALOGIN53_ASIC_B5: length 11.8
  TOP w0.127: C488.2 203.74,193.81 209.01,199.08 U390.45
ANALOGIN53_ASIC_B6: length 11.8
  TOP w0.127: U455.45 129,198.82 123.7,193.53 C575.2
ANALOGIN53_ASIC_B7: length 11.7
  TOP w0.127: C662.2 43.74,194.8 48.99,200.04 U520.45
ANALOGIN53_ASIC_C1: length 11.7
  TOP w0.127: C749.2 283.72,113.52 289.02,118.81 U585.45
ANALOGIN53_ASIC_C2: length 11.7
  TOP w0.127: U650.45 209.01,118.76 203.71,113.47 C836.2
ANALOGIN53_ASIC_C3: length 11.7
  TOP w0.127: C923.2 123.73,113.77 129,119.04 U715.45
ANALOGIN53_ASIC_C4: length 11.7
  TOP w0.127: U780.45 48.99,119.4 43.72,114.13 C1010.2
ANALOGIN53_ASIC_D1: length 21.9
  TOP w0.127: U845.45 289.02,30.62 283,24.61 C1097.2
ANALOGIN53_ASIC_D2: length 20.7
  TOP w0.127: C1184.2 202.13,24.49 209.01,31.37 U910.45
ANALOGIN53_ASIC_D3: length 21.6
  TOP w0.127: C1271.2 122.05,23.61 129,30.56 U975.45
ANALOGIN53_ASIC_D4: length 21.2
  TOP w0.127: U1040.45 48.99,30.99 42.06,24.06 C1358.2
ANALOGIN54_ASIC_A1: length 25
  TOP w0.127: C54.2 283.5,265.21 285.57,267.28 285.57,274.78 289.67,278.87 U65.46
ANALOGIN54_ASIC_A2: length 20.8
  TOP w0.127: C141.2 205.07,264.73 207.24,266.9 207.24,273.02 209.66,275.44 U130.46
ANALOGIN54_ASIC_A3: length 22.9
  TOP w0.127: C228.2 125.06,265.21 126.49,266.65 126.49,275.54 129.65,278.69 U195.46
ANALOGIN54_ASIC_A4: length 22.2
  TOP w0.127: U260.46 49.64,278.39 46.84,275.59 46.84,266.65 43.93,263.74 C315.2
ANALOGIN54_ASIC_B1: length 22.2
  TOP w0.127: U325.46 289.67,199.85 286,196.19 286,185.8 283.92,183.71 C402.2
ANALOGIN54_ASIC_B5: length 22.2
  TOP w0.127: U390.46 209.66,198.58 205.84,194.77 205.84,185.57 203.98,183.71 C489.2
ANALOGIN54_ASIC_B6: length 22.2
  TOP w0.127: C576.2 124.1,183.71 125.37,184.99 125.37,194.18 129.65,198.46 U455.46
ANALOGIN54_ASIC_B7: length 22.4
  TOP w0.127: U520.46 49.64,199.57 45.44,195.38 45.44,184.76 44.4,183.71 C663.2
ANALOGIN54_ASIC_C1: length 22.2
  TOP w0.127: U585.46 289.67,118.3 285.52,114.15 285.52,105.11 284.15,103.73 C750.2
ANALOGIN54_ASIC_C2: length 22
  TOP w0.127: C837.2 203.73,103.73 205.31,105.31 205.31,113.94 209.66,118.29 U650.46
ANALOGIN54_ASIC_C3: length 22
  TOP w0.127: U715.46 129.65,118.55 125.86,114.76 125.86,105.77 123.82,103.73 C924.2
ANALOGIN54_ASIC_C4: length 21.8
  TOP w0.127: U780.46 49.64,118.93 45.72,115.01 45.72,106.05 43.4,103.73 C1011.2
ANALOGIN54_ASIC_D1: length 23.3
  TOP w0.127: U845.46 289.67,28.54 283.38,22.25 C1098.2
